# Altium PCB PCB1.PcbDoc (continued)
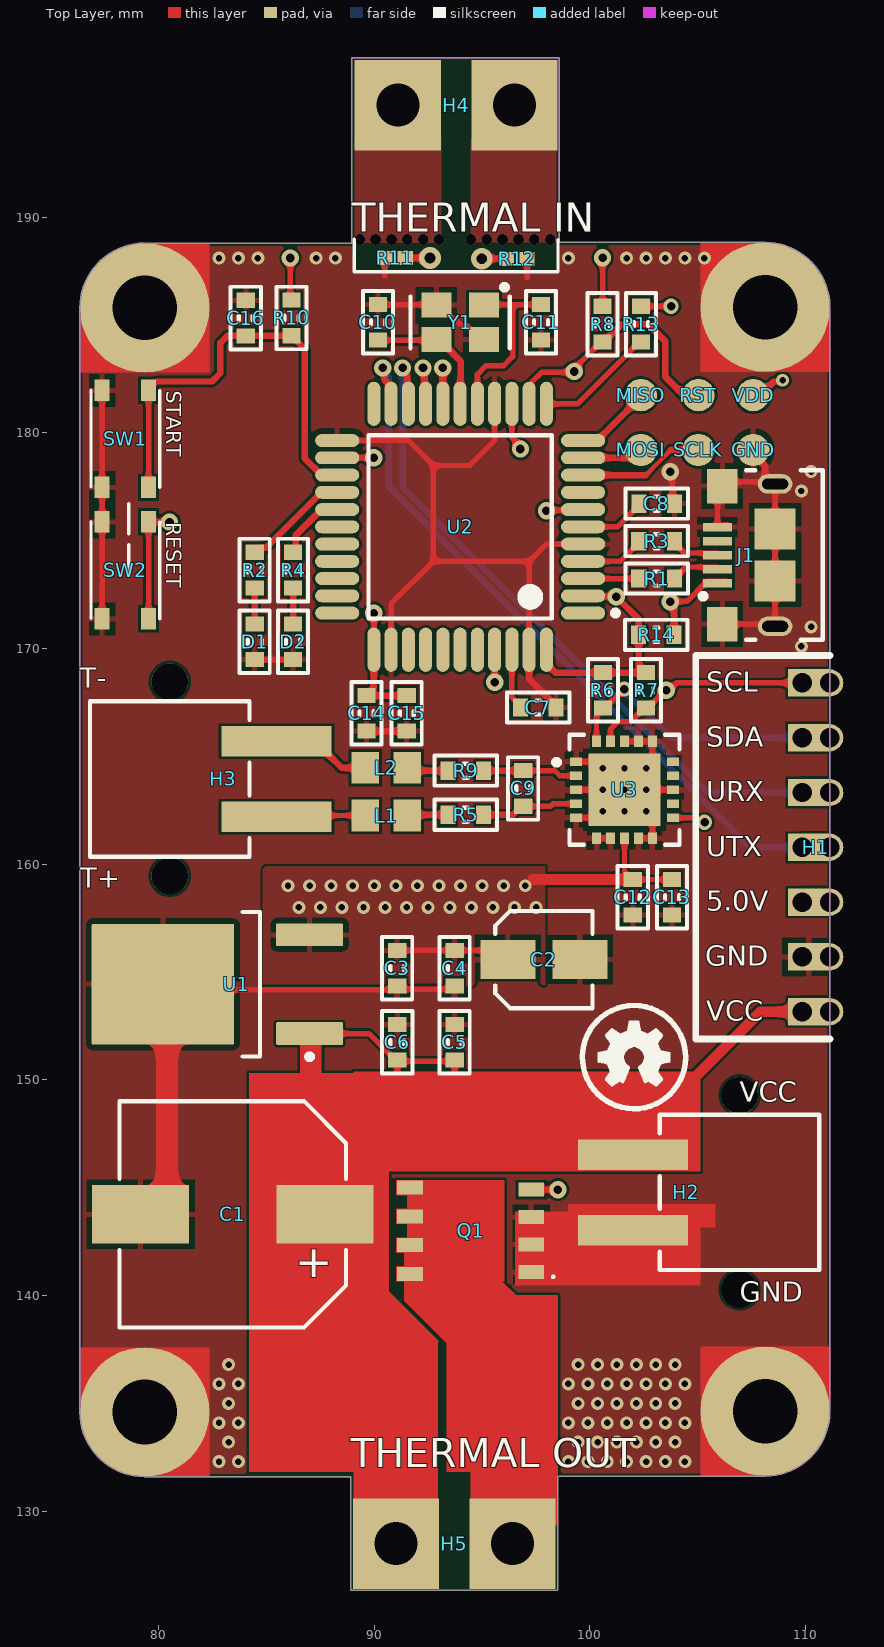
[diagram p0: Top Layer view]
## Nets (pads, with @x,y where several pads share a name; then routed paths per layer and width w, separated by ;. In a path a pad name is that pad's centre, name@x,y a point inside that pad or via, vN(x,y) a via of type N, cw(c..) or ccw(c..) an arc to the next point about the centre after c; other vN are vias at no path point) (continued)
NetC8_2: C8.2 U2.6 | length 3.1
  Top Layer w0.25: U2.6 101.274,175.641 102.271,176.638 C8.2
NetC9_1: C9.1 R5.1 U3.4 | length 4.6
  Top Layer w0.25: C9.1 98.171,162.683 98.287,162.799 U3.4 U3.4@99.279,162.728
  Top Layer w0.3: R5.1 96.432,162.289 96.826,162.683 C9.1
NetC9_2: C9.2 R9.1 U3.2 | length 4.5
  Top Layer w0.25: C9.2@97.081,164.333 98.366,164.333 98.6,164.099 U3.2 U3.2@99.279,164.17
  Top Layer w0.3: R9.1 C9.2 C9.2@97.081,164.333
NetC10_1: C10.1 U2.17 Y1.3 | length 6.7
  Top Layer w0.25: C10.1 Y1.3@92.905,184.293
  Top Layer w0.3: Y1.3 93.205,183.993 93.33,183.993 93.999,183.324 U2.17@93.999,181.36
  Top Layer w0.5: Y1.3 92.905,184.293 Y1.3@93.205,183.993 ; U2.17 U2.17@93.999,181.36
NetC11_1: C11.1 U2.16 Y1.1 | length 8.4
  Top Layer w0.25: U2.16 94.78,182.705 95.189,183.114 96.002,183.114 96.415,183.527 96.415,185.943 ; Y1.1 95.105,185.943 96.415,185.943 ; C11.1 96.415,185.943
NetC16_1: C16.1 R10.2 SW1.2 U2.25 | length 16.4
  Top Layer w0.3: SW1.2@79.533,181.969 79.533,182.119 79.733,182.319 79.85,182.319 79.909,182.377 82.476,182.377 82.857,182.758 82.857,184.165 83.19,184.498 R10.2 86.236,184.498 86.436,184.298 86.436,184.223 86.78,183.878 86.78,178.81 87.549,178.041 U2.25
NetD1_1: D1.1 R2.2 | length 1.7
  Top Layer w0.3: D1.1 R2.2
NetD2_1: D2.1 R4.2 | length 1.7
  Top Layer w0.3: D2.1 R4.2
NetH1_4: H1.4 U2.21 | length 33.5
  Top Layer w0.3: v2(90.393,183.007) 90.475,182.925 90.475,182.452 90.78,182.147 U2.21
  Bottom Layer w0.3: v2(90.393,183.007) 90.393,182.872 90.678,182.587 90.678,177.513 107.409,160.782 H1.4@109.842,160.782
NetH1_5: H1.5 U2.20 | length 31.7
  Top Layer w0.3: v2(91.313,183.007) 91.313,182.872 91.523,182.662 91.523,181.398 U2.20
  Bottom Layer w0.3: v2(91.313,183.007) 91.313,177.472 105.463,163.322 H1.5@109.842,163.322
NetH1_6: H1.6 R6.1 U2.19 U3.20 | length 33.5
  Top Layer w0.25: U3.20 100.3,167.01 100.525,167.235 100.675,167.235 101.557,168.117 v4(101.589,168.117)
  Top Layer w0.3: v2(92.258,183.006) 92.323,182.942 92.323,181.398 U2.19
  Layer 1 w0.25: v2(92.258,183.006) 92.258,176.261 100.452,168.067 101.539,168.067 v4(101.589,168.117)
  Bottom Layer w0.3: v4(101.589,168.117) 101.589,168.017 103.744,165.862 H1.6@109.842,165.862
NetH1_7: H1.7 R7.1 U2.18 U3.19 | length 32.8
  Top Layer w0.25: U3.19 100.95,166.26 101.3,166.61 101.9,166.61 102.525,167.235 R7.1 ; R7.1@102.675,167.235 v2@103.507,168.067 ; v2(103.539,168.067) 103.688,168.067 104.023,168.402 109.842,168.402 H1.7@111.112,168.402
  Top Layer w0.3: U2.18 v2(93.18,183.007)
  Layer 1 w0.25: v2(93.18,183.007) 93.18,179.343 101.636,170.887 101.636,169.349 102.918,168.067 v2(103.539,168.067)
NetH3_1: H3.1 L2.1 | length 5
  Top Layer w0.25: H3.1@85.595,165.707 85.897,165.707 H3.1@85.849,165.755
  Top Layer w0.3: H3.1 87.318,165.699 87.868,165.149 87.868,165.083 88.486,164.465 L2.1
NetH3_2: H3.2 L1.1 | length 1.9
  Top Layer w0.25: H3.2@87.747,162.207 87.795,162.255 L1.1
NetH4_1: H4.1 H4.2 R11.2 R12.2 | length 2259.6
  Top Layer w0.25: R11.2 v5(92.583,188.105) ; v5(94.98,188.065) R12.2
  Layer 2 w0.5: v5(92.583,188.105) 92.583,187.198 82.95,187.198 ccw(c82.95,187.105) 82.857,187.105 82.857,186.708 82.857,184.248 ccw(c83.167,184.248) 83.477,184.248 83.477,186.148 cw(c83.787,186.148) 84.097,186.148 84.097,184.248 ccw(c84.407,184.248) 84.717,184.248 84.717,186.148 cw(c85.027,186.148) 85.337,186.148 85.337,184.248 ccw(c85.647,184.248) 85.957,184.248 85.957,186.148 cw(c86.267,186.148) 86.577,186.148 86.577,184.248 ccw(c86.887,184.248) 87.197,184.248 87.197,186.148 cw(c87.507,186.148) 87.507,186.458 cw(c87.507,186.148) 87.817,186.148 87.817,184.248 ccw(c88.127,184.248) 88.127,183.938 ccw(c88.127,184.248) 88.437,184.248 88.437,186.148 cw(c88.747,186.148) 89.057,186.148 89.057,184.868 ccw(c89.367,184.868) 89.677,184.868 89.677,186.148 cw(c89.987,186.148) 90.297,186.148 90.297,184.868 ccw(c90.607,184.868) 90.917,184.868 90.917,186.148 cw(c91.227,186.148) 91.537,186.148 91.537,184.868 ccw(c91.847,184.868) 92.157,184.868 92.157,186.148 cw(c92.467,186.148) 92.777,186.148 92.777,184.868 ccw(c93.087,184.868) 93.397,184.868 93.397,186.148 cw(c93.707,186.148) 94.017,186.148 94.017,184.868 ccw(c94.327,184.868) 94.637,184.868 94.637,186.148 cw(c94.947,186.148) 95.257,186.148 95.257,184.868 ccw(c95.567,184.868) 95.877,184.868 95.877,186.148 cw(c96.187,186.148) 96.497,186.148 96.497,184.868 ccw(c96.807,184.868) 97.117,184.868 97.117,186.148 cw(c97.427,186.148) 97.737,186.148 97.737,184.868 ccw(c98.047,184.868) 98.357,184.868 98.357,186.148 cw(c98.667,186.148) 98.977,186.148 98.977,184.868 ccw(c99.287,184.868) 99.597,184.868 99.597,186.148 cw(c99.907,186.148) 100.217,186.148 100.217,184.868 ccw(c100.527,184.868) 100.837,184.868 100.837,186.148 cw(c101.147,186.148) 101.457,186.148 101.457,184.868 ccw(c101.767,184.868) 102.077,184.868 102.077,186.148 cw(c102.387,186.148) 102.387,186.458 cw(c102.387,186.148) 102.697,186.148 102.697,184.248 cw(c102.387,184.248) 102.387,183.938 ccw(c102.387,183.628) 102.077,183.628 102.077,183.318 cw(c101.767,183.318) 101.457,183.318 101.457,183.628 ccw(c101.147,183.628) 100.837,183.628 100.837,183.438 cw(c100.527,183.438) 100.217,183.438 100.217,183.628 ccw(c99.907,183.628) 99.907,183.938 98.667,183.938 ccw(c98.667,183.628) 98.357,183.628 98.357,183.408 cw(c98.047,183.408) 97.737,183.408 97.737,183.628 ccw(c97.427,183.628) 97.117,183.628 97.117,183.397 cw(c96.807,183.397) 96.497,183.397 96.497,183.628 ccw(c96.187,183.628) 95.877,183.628 95.877,183.393 cw(c95.567,183.393) 95.257,183.393 95.257,183.628 ccw(c94.947,183.628) 94.637,183.628 94.637,183.393 cw(c94.327,183.393) 94.017,183.393 94.017,183.628 ccw(c93.707,183.628) 93.707,183.938 89.367,183.938 ccw(c89.367,183.628) 89.057,183.628 cw(c88.747,183.628) 88.747,183.318 83.166,183.318 ccw(c83.167,183.008) 82.857,183.01 82.857,182.758 82.857,182.508 cw(c82.547,182.508) 82.547,182.198 77.588,182.198 ccw(c77.588,181.888) 77.278,181.888 77.278,138.412 ccw(c77.588,138.412) 77.588,138.102 ccw(c77.588,138.412) 77.898,138.412 77.898,181.268 cw(c78.208,181.268) 78.208,181.578 cw(c78.208,181.268) 78.518,181.268 78.518,138.412 ccw(c78.828,138.412) 78.828,138.102 ccw(c78.828,138.412) 79.138,138.412 79.138,181.268 cw(c79.448,181.268) 79.758,181.268 79.758,176.929 ccw(c80.068,176.929) 80.378,176.929 80.378,181.268 cw(c80.688,181.268) 80.998,181.268 80.998,176.765 ccw(c81.308,176.765) 81.618,176.765 81.618,181.268 cw(c81.928,181.268) 82.238,181.268 82.238,175.302 cw(c81.928,175.302) 81.928,174.992 80.068,174.992 ccw(c80.068,174.682) 79.758,174.682 79.758,169.971 ccw(c80.068,169.971) 80.378,169.971 80.378,174.062 cw(c80.688,174.062) 80.998,174.062 80.998,169.881 ccw(c81.308,169.881) 81.618,169.881 81.618,174.062 cw(c81.928,174.062) 82.238,174.062 82.238,167.242 cw(c81.928,167.242) 81.928,166.932 80.068,166.932 ccw(c80.068,166.622) 79.758,166.622 79.758,160.971 ccw(c80.068,160.971) 80.378,160.971 80.378,166.002 cw(c80.688,166.002) 80.998,166.002 80.998,160.881 ccw(c81.308,160.881) 81.618,160.881 81.618,166.002 cw(c81.928,166.002) 82.238,166.002 82.238,158.562 cw(c81.928,158.562) 81.928,158.252 81.308,158.252 ccw(c81.308,157.942) 80.998,157.942 cw(c80.688,157.942) 80.688,157.632 80.068,157.632 ccw(c80.068,157.322) 79.758,157.322 79.758,138.412 ccw(c80.068,138.412) 80.378,138.412 80.378,156.702 cw(c80.688,156.702) 80.998,156.702 80.998,138.412 ccw(c81.308,138.412) 81.618,138.412 81.618,157.322 cw(c81.928,157.322) 82.238,157.322 82.238,138.722 ccw(c82.548,138.722) 82.548,138.412 cw(c82.548,138.102) 82.858,138.103 82.858,137.852 83.107,137.603 104.228,137.603 104.521,137.896 104.521,138.402 104.521,138.654 cw(c104.831,138.652) 104.83,138.962 105.451,138.962 ccw(c105.451,139.272) 105.451,139.582 104.831,139.582 cw(c104.831,139.892) 104.521,139.892 104.521,140.512 cw(c104.831,140.512) 104.831,140.822 105.451,140.822 ccw(c105.451,141.132) 105.761,141.132 105.761,146.712 cw(c106.071,146.712) 106.381,146.712 106.381,141.81 ccw(c106.691,141.81) 107.001,141.81 107.001,146.712 cw(c107.311,146.712) 107.621,146.712 107.621,141.598 ccw(c107.931,141.598) 108.241,141.598 108.241,147.962 ccw(c107.931,147.962) 107.931,148.272 107.621,148.272 107.621,147.952 cw(c107.311,147.952) 107.311,147.642 106.071,147.642 cw(c106.071,147.952) 105.761,147.952 105.761,148.635 ccw(c105.451,148.635) 105.141,148.635 105.141,141.752 cw(c104.831,141.752) 104.521,141.752 104.521,149.812 cw(c104.831,149.812) 104.831,150.122 105.451,150.122 ccw(c105.451,150.432) 105.761,150.432 105.761,160.862 ccw(c105.451,160.862) 105.141,160.862 105.141,151.052 cw(c104.831,151.052) 104.521,151.052 104.521,162.832 cw(c104.831,162.832) 104.831,163.142 105.451,163.142 ccw(c105.451,163.452) 105.761,163.452 105.761,180.82 cw(c106.071,180.82) 106.381,180.82 106.381,150.81 ccw(c106.691,150.81) 107.001,150.81 107.001,169.032 cw(c107.311,169.032) 107.621,169.032 107.621,150.598 ccw(c107.931,150.598) 108.241,150.598 108.241,151.052 cw(c108.551,151.052) 108.861,151.052 108.861,138.962 ccw(c109.171,138.962) 109.481,138.962 109.481,151.052 cw(c109.791,151.052) 110.101,151.052 110.101,138.962 ccw(c110.411,138.962) 110.721,138.962 110.721,151.672 ccw(c110.411,151.672) 110.411,151.982 108.551,151.982 cw(c108.551,152.292) 108.241,152.292 108.241,169.652 ccw(c107.931,169.652) 107.931,169.962 107.311,169.962 cw(c107.311,170.272) 107.001,170.272 107.001,175.852 cw(c107.311,175.852) 107.621,175.852 107.621,172.258 ccw(c107.931,172.258) 108.241,172.258 108.241,175.232 cw(c108.551,175.232) 108.861,175.232 108.861,172.258 ccw(c109.171,172.258) 109.481,172.258 109.481,175.232 cw(c109.791,175.232) 110.101,175.232 110.101,171.98 ccw(c110.411,171.98) 110.721,171.98 110.721,175.852 ccw(c110.411,175.852) 110.411,176.162 108.551,176.162 cw(c108.551,176.472) 108.241,176.472 ccw(c107.931,176.472) 107.931,176.782 107.311,176.782 cw(c107.311,177.092) 107.001,177.092 107.001,180.82 cw(c107.311,180.82) 107.621,180.82 107.621,178.858 ccw(c107.931,178.858) 108.241,178.858 108.241,180.82 cw(c108.551,180.82) 108.861,180.82 108.861,178.858 ccw(c109.171,178.858) 109.481,178.858 109.481,180.82 cw(c109.791,180.82) 110.101,180.82 110.101,179.18 ccw(c110.411,179.18) 110.721,179.18 110.721,181.44 ccw(c110.411,181.44) 110.411,181.75 105.451,181.75 ccw(c105.451,181.44) 105.141,181.44 105.141,164.072 cw(c104.831,164.072) 104.521,164.072 104.521,165.932 ccw(c104.211,165.932) 103.901,165.932 103.901,138.962 cw(c103.591,138.962) 103.281,138.962 103.281,160.352 ccw(c102.971,160.352) 102.661,160.352 102.661,138.962 cw(c102.351,138.962) 102.041,138.962 102.041,160.352 ccw(c101.731,160.352) 101.421,160.352 101.421,138.962 cw(c101.111,138.962) 100.801,138.962 100.801,160.352 ccw(c100.491,160.352) 100.181,160.352 100.181,138.962 cw(c99.871,138.962) 99.561,138.962 99.561,142.992 ccw(c99.251,142.992) 98.941,142.992 98.941,138.962 cw(c98.631,138.962) 98.321,138.962 98.321,143.612 cw(c98.631,143.612) 98.631,143.922 99.251,143.922 ccw(c99.251,144.232) 99.561,144.232 99.561,161.616 cw(c99.871,161.616) 100.181,161.616 100.181,161.592 ccw(c100.491,161.592) 100.491,161.282 102.971,161.282 ccw(c102.971,161.592) 103.281,161.592 103.281,165.932 ccw(c102.971,165.932) 102.661,165.932 102.661,165.429 cw(c102.351,165.429) 102.041,165.429 102.041,165.932 ccw(c101.731,165.932) 101.421,165.932 101.421,165.405 cw(c101.111,165.405) 100.801,165.405 100.801,165.932 ccw(c100.491,165.932) 100.181,165.932 100.181,165.282 cw(c99.871,165.282) 99.561,165.282 99.561,165.932 ccw(c99.251,165.932) 98.941,165.932 98.941,145.987 cw(c98.631,145.987) 98.321,145.987 98.321,156.012 ccw(c98.011,156.012) 97.701,156.012 97.701,138.962 cw(c97.391,138.962) 97.081,138.962 97.081,156.012 ccw(c96.771,156.012) 96.461,156.012 96.461,138.962 cw(c96.151,138.962) 95.841,138.962 95.841,156.012 ccw(c95.531,156.012) 95.221,156.012 95.221,138.962 cw(c94.911,138.962) 94.601,138.962 94.601,156.012 ccw(c94.291,156.012) 93.981,156.012 93.981,138.962 cw(c93.671,138.962) 93.361,138.962 93.361,156.012 ccw(c93.051,156.012) 92.741,156.012 92.741,138.962 cw(c92.431,138.962) 92.121,138.962 92.121,156.012 ccw(c91.811,156.012) 91.501,156.012 91.501,138.962 cw(c91.191,138.962) 90.881,138.962 90.881,156.012 ccw(c90.571,156.012) 90.261,156.012 90.261,138.962 cw(c89.951,138.962) 89.641,138.962 89.641,156.012 ccw(c89.331,156.012) 89.021,156.012 89.021,138.962 cw(c88.711,138.962) 88.401,138.962 88.401,156.012 ccw(c88.091,156.012) 87.781,156.012 87.781,138.962 cw(c87.471,138.962) 87.161,138.962 87.161,156.012 ccw(c86.851,156.012) 86.541,156.012 86.541,138.962 cw(c86.231,138.962) 85.921,138.962 85.921,156.632 cw(c86.231,156.632) 86.231,156.942 98.011,156.942 ccw(c98.011,157.252) 98.321,157.252 98.321,165.932 ccw(c98.011,165.932) 97.701,165.932 97.701,159.975 cw(c97.391,159.975) 97.081,159.975 97.081,160.352 ccw(c96.771,160.352) 96.461,160.352 cw(c96.151,160.352) 96.151,160.042 94.911,160.042 cw(c94.911,160.352) 94.911,160.662 95.531,160.662 ccw(c95.531,160.972) 95.841,160.972 cw(c96.151,160.972) 96.151,161.282 96.771,161.282 ccw(c96.771,161.592) 97.081,161.592 97.081,165.932 ccw(c96.771,165.932) 96.461,165.932 96.461,162.738 cw(c96.151,162.738) 95.841,162.738 95.841,165.932 ccw(c95.531,165.932) 95.221,165.932 95.221,163.074 cw(c94.911,163.074) 94.601,163.074 94.601,166.552 cw(c94.911,166.552) 94.911,166.862 ccw(c94.911,167.172) 95.221,167.172 95.221,167.35 cw(c95.531,167.35) 95.841,167.35 95.841,167.172 ccw(c96.151,167.172) 96.151,166.862 99.871,166.862 ccw(c99.871,167.172) 100.181,167.172 100.181,167.792 ccw(c99.871,167.792) 99.561,167.792 cw(c99.251,167.792) 98.941,167.792 ccw(c98.631,167.792) 98.321,167.792 cw(c98.011,167.792) 97.701,167.792 ccw(c97.391,167.792) 97.081,167.792 cw(c96.771,167.792) 96.461,167.792 96.461,168.412 cw(c96.771,168.412) 96.771,168.722 98.011,168.722 ccw(c98.011,169.032) 98.321,169.032 98.321,169.65 cw(c98.631,169.65) 98.941,169.65 98.941,169.032 ccw(c99.251,169.032) 99.561,169.032 99.561,169.42 cw(c99.871,169.42) 100.181,169.42 100.181,169.032 ccw(c100.491,169.032) 100.491,168.722 cw(c100.491,168.412) 100.801,168.412 100.801,167.172 ccw(c101.111,167.172) 101.111,166.862 101.731,166.862 ccw(c101.731,167.172) 102.041,167.172 102.041,167.184 cw(c102.351,167.184) 102.661,167.184 102.661,167.172 ccw(c102.971,167.172) 102.971,166.862 104.211,166.862 ccw(c104.211,167.172) 104.521,167.172 104.521,170.272 ccw(c104.211,170.272) 103.901,170.272 103.901,169.147 cw(c103.591,169.147) 103.281,169.147 103.281,170.892 cw(c103.591,170.892) 103.591,171.202 104.211,171.202 ccw(c104.211,171.512) 104.521,171.512 104.521,176.472 ccw(c104.211,176.472) 103.901,176.472 103.901,173.242 cw(c103.591,173.242) 103.281,173.242 103.281,177.092 cw(c103.591,177.092) 103.591,177.402 104.211,177.402 ccw(c104.211,177.712) 104.521,177.712 104.521,180.82 ccw(c104.211,180.82) 103.901,180.82 103.901,179.276 cw(c103.591,179.276) 103.281,179.276 103.281,180.82 ccw(c102.971,180.82) 102.661,180.82 102.661,169.051 cw(c102.351,169.051) 102.041,169.051 102.041,170.272 ccw(c101.731,170.272) 101.421,170.272 101.421,169.652 cw(c101.111,169.652) 100.801,169.652 100.801,170.892 cw(c101.111,170.892) 101.111,171.202 101.731,171.202 ccw(c101.731,171.512) 102.041,171.512 102.041,180.82 ccw(c101.731,180.82) 101.421,180.82 101.421,173.482 cw(c101.111,173.482) 100.801,173.482 100.801,180.82 ccw(c100.491,180.82) 100.181,180.82 100.181,171.574 cw(c99.871,171.574) 99.561,171.574 99.561,174.612 ccw(c99.251,174.612) 98.941,174.612 98.941,171.343 cw(c98.631,171.343) 98.321,171.343 98.321,174.612 ccw(c98.011,174.612) 97.701,174.612 97.701,169.652 cw(c97.391,169.652) 97.081,169.652 97.081,175.232 cw(c97.391,175.232) 97.391,175.542 99.251,175.542 ccw(c99.251,175.852) 99.561,175.852 99.561,180.82 ccw(c99.251,180.82) 98.941,180.82 98.941,177.712 cw(c98.631,177.712) 98.631,177.402 96.771,177.402 ccw(c96.771,177.092) 96.461,177.092 96.461,169.652 cw(c96.151,169.652) 95.841,169.652 95.841,177.712 cw(c96.151,177.712) 96.151,178.022 98.011,178.022 ccw(c98.011,178.332) 98.321,178.332 98.321,180.82 ccw(c98.011,180.82) 97.701,180.82 97.701,180.263 cw(c97.391,180.263) 97.081,180.263 97.081,180.82 ccw(c96.771,180.82) 96.461,180.82 96.461,180.261 cw(c96.151,180.261) 95.841,180.261 95.841,180.82 ccw(c95.531,180.82) 95.221,180.82 95.221,169.422 cw(c94.911,169.422) 94.601,169.422 94.601,180.82 ccw(c94.291,180.82) 93.981,180.82 93.981,159.98 cw(c93.671,159.98) 93.361,159.98 93.361,180.82 ccw(c93.051,180.82) 92.741,180.82 92.741,159.969 cw(c92.431,159.969) 92.121,159.969 92.121,180.82 ccw(c91.811,180.82) 91.501,180.82 91.501,159.98 cw(c91.191,159.98) 90.881,159.98 90.881,169.652 ccw(c90.571,169.652) 90.261,169.652 90.261,159.98 cw(c89.951,159.98) 89.641,159.98 89.641,170.272 cw(c89.951,170.272) 89.951,170.582 90.571,170.582 ccw(c90.571,170.892) 90.881,170.892 90.881,177.092 ccw(c90.571,177.092) 90.261,177.092 90.261,172.721 cw(c89.951,172.721) 89.641,172.721 89.641,177.712 cw(c89.951,177.712) 89.951,178.022 90.571,178.022 ccw(c90.571,178.332) 90.881,178.332 90.881,180.82 ccw(c90.571,180.82) 90.261,180.82 90.261,179.921 cw(c89.951,179.921) 89.641,179.921 89.641,180.82 ccw(c89.331,180.82) 89.021,180.82 89.021,159.98 cw(c88.711,159.98) 88.401,159.98 88.401,180.82 ccw(c88.091,180.82) 87.781,180.82 87.781,159.96 cw(c87.471,159.96) 87.161,159.96 87.161,180.82 ccw(c86.851,180.82) 86.541,180.82 86.541,159.98 cw(c86.231,159.98) 85.921,159.98 85.921,180.82 ccw(c85.611,180.82) 85.301,180.82 85.301,138.962 cw(c84.991,138.962) 84.991,138.652 cw(c84.991,138.962) 84.681,138.962 84.681,180.82 ccw(c84.371,180.82) 84.371,181.13 ccw(c84.371,180.82) 84.061,180.82 84.061,138.962 cw(c83.751,138.962) 83.751,138.652 cw(c83.751,138.962) 83.441,138.962 83.441,181.44 cw(c83.751,181.44) 83.751,181.75 104.212,181.75 ccw(c104.211,182.06) 104.521,182.06 104.521,182.31 104.755,182.544 104.755,186.866 104.462,187.158 94.98,187.158 v5(94.98,188.065)
  Layer 2 w1: v5(92.583,188.105) H4.1@92.583,195.181 ; v5(94.98,188.065) H4.2@94.98,195.142
  other v3: 89.321,188.957 90.057,188.957 90.793,188.957 91.53,188.957 92.266,188.957 93.002,188.957 94.474,188.957 95.21,188.957 95.947,188.957 96.683,188.957 97.419,188.957 98.155,188.957
NetH5_1: H5.1 Q1.5 Q1.6 Q1.7 Q1.8
NetJ1_2: J1.2 R1.2 | length 2.3
  Top Layer w0.25: R1.2 103.913,173.316 104.138,173.541 104.213,173.541 104.45,173.778 J1.2@105.91,173.778
NetJ1_3: J1.3 R3.2 | length 2.3
  Top Layer w0.25: R3.2 103.913,174.901 104.387,174.428 J1.3@105.91,174.428
NetL1_2: L1.2 R5.2 | length 1.9
  Top Layer w0.3: L1.2 91.557,162.289 R5.2
NetL2_2: L2.2 R9.2 | length 1.9
  Top Layer w0.3: L2.2 91.655,164.333 R9.2
NetMISO_1: MISO.1 U2.11 | length 3.6
  Top Layer w0.3: U2.11 100.332,179.641 102.301,181.61 102.362,181.61 MISO.1
NetMOSI_1: MOSI.1 U2.10 | length 2.8
  Top Layer w0.3: U2.10 101.81,178.841 102.173,179.204 MOSI.1
NetQ1_4: Q1.4 R13.2 | length 50.4
  Top Layer w0.25: Q1.4@97.526,144.907 v2(98.514,144.907) ; R13.2@102.392,185.866 103.759,185.866 v4(103.761,185.867)
  Layer 1 w0.25: v2(98.514,144.907) 98.562,144.859 100.064,144.859 107.061,151.856 107.061,171.201 102.362,175.9 102.362,184.413 103.761,185.811 v4(103.761,185.867)
NetR1_1: R1.1 U2.3 | length 2.6
  Top Layer w0.25: U2.3 R1.1
NetR2_1: R2.1 U2.26 | length 5
  Top Layer w0.3: R2.1 84.655,174.661 84.969,174.661 87.549,177.241 U2.26
NetR3_1: R3.1 U2.4 | length 3
  Top Layer w0.25: U2.4 101.403,174.041 102.263,174.901 R3.1
NetR4_1: R4.1 U2.27 | length 3.3
  Top Layer w0.3: R4.1 86.369,174.597 86.369,175.261 87.549,176.441 U2.27
NetR8_1: R8.1 RST.1 SW2.2 U2.13 | length 36.7
  Top Layer w0.25: SW2.2@79.545,175.86 v2(80.508,175.86) ; U2.13 97.18,182.161 97.301,182.282 97.301,182.347 97.754,182.8 99.095,182.8 100.509,184.214 R8.1
  Top Layer w0.3: R8.1 100.659,184.214 101.484,185.039 102.694,185.039 103.5,184.233 103.5,182.589 104.315,181.773 104.999,181.773 RST.1
  Layer 1 w0.25: v2(80.508,175.86) 84.418,179.77 84.418,180.076 88.725,184.383 98.335,184.383 99.266,183.452 v2(99.266,182.841)
NetR13_1: R13.1 U2.12 | length 5.6
  Top Layer w0.25: U2.12 99.414,181.341 102.287,184.214 R13.1
NetSCLK_1: SCLK.1 U2.9 | length 5.8
  Top Layer w0.2: 102.588,178.041 103.75,179.204
  Top Layer w0.3: U2.9 102.588,178.041 ; 103.75,179.204 SCLK.1
NetU2_41: U2.41 U3.11 | length 15.7
  Top Layer w0.25: v2(95.58,168.43) U2.41@95.58,169.418 ; U3.11@103.825,162.149 104.962,162.149 105.169,161.942 v4(105.318,161.942)
  Layer 1 w0.3: v2(95.58,168.43) 97.64,166.37 102.016,166.37 105.318,163.068 v4(105.318,161.942)
VCC: C1.1 C5.2 C6.2 H1.1 H2.2 H5.2 U1.1 | length 31.7
  Top Layer w0.25: U1.1 89.763,152.146 90.991,150.918 C6.2 ; C5.2@93.676,150.868 91.116,150.868 C6.2 ; C5.2 93.726,149.951 96.178,148.961 ; 97.074,148.064 96.171,148.968 91.066,150.014 C6.2
  Top Layer w0.3: 104.521,149.812 104.553,149.812
  Top Layer w0.5: 104.553,149.812 107.903,153.162 H1.1@110.122,153.162
  Top Layer w1: 87.064,146.175 87.064,151.507 ; H2.2@102.362,146.581 102.489,146.708 102.489,147.748
VDD: C2.1 C3.2 C4.2 C12.1 C13.1 C14.1 C15.1 H1.3 R6.2 R7.2 R8.2 R10.1 R14.1 U1.3 U2.2 U2.14 U2.24 U2.34 U2.44 U3.8 VDD.1 | length 41.2
  Top Layer w0.25: R10.1@86.106,185.918 v2(86.106,188.105) ; U2.24 v2(89.98,178.841) ; U2.34 v2(89.98,171.641) ; C3.2 C4.2 95.813,156 C2.1@96.138,155.675 ; C2.1@96.081,155.518 96.138,155.575 C2.1@96.138,155.675 ; C2.1@96.138,155.95 C2.1@96.138,155.675 ; U2.14 96.38,179.79 96.774,179.396 v2(96.774,179.247) ; 97.257,159.385 97.356,159.286 ; U2.2 99.7,172.421 101.203,172.421 v2(101.223,172.402) ; R8.2 v2(100.584,188.111) ; U3.8 101.6,159.671 101.684,159.586 101.684,159.511 101.909,159.286 C12.1 ; C12.1 C13.1
  Top Layer w0.3: C14.1 C14.1@89.716,167.816 ; U2.34 89.98,168.155 89.916,168.091 89.916,168.016 C14.1@89.716,167.816 ; C15.1 C14.1@89.716,167.816 ; U2.44 98.001,169.941 98.001,169.276 98.392,168.885 R6.2 R7.2@102.525,168.885 ; v2(101.223,172.402) 102.255,171.37 R14.1 102.255,169.155 R7.2@102.525,168.885 ; R7.2 R7.2@102.525,168.885 ; VDD.1 107.894,181.744 108.528,182.378 108.874,182.378 v1(108.931,182.435)
  Top Layer w0.5: 97.356,159.286 C12.1@101.909,159.286
  other v1: 86.5,158 87.5,158 88.5,158 89.5,158 90.5,158 91.5,158 92.5,158 93.5,158 94.5,158 95.5,158 96.5,158 97.5,158 86,159 87,159 88,159 89,159 90,159 91,159 92,159 93,159 94,159 95,159 96,159 97,159
VUSB: J1.1 R14.2 U2.7 | length 14.8
  Top Layer w0.25: v2(97.98,176.388) 98.006,176.414 99.653,176.414 U2.7 ; v2(103.717,172.162) 103.74,172.185 104.492,172.185 105.435,173.128 J1.1@106.299,173.128
  Top Layer w0.3: v2(103.717,172.162) 103.717,172.027 103.905,171.839 R14.2
  Layer 1 w0.25: v2(97.98,176.388) 98.033,176.441 100.66,176.441 103.974,173.127 103.974,172.877 103.822,172.724 103.822,172.267 v2(103.717,172.162)
pads on no net: H2.M1 H2.M2 H3.M1 H3.M2 J1.4 U2.1 U2.8 U2.22 U2.28 U2.29 U2.30 U2.31 U2.32 U2.33 U2.36 U2.37 U2.38 U2.39 U2.40 U3.12 U3.14 U3.15

## Polygon pours and split planes (outlines as drawn)
GND on Top Layer "NONET_L-01_P-001" (solid, pour order 2): 79.245,188.79 108.017,188.823 111.017,185.823 111.017,134.633 108.017,131.633 79.245,131.6 76.245,134.6 76.245,185.791
VDD on Top Layer "NONET_L-01_P-001" (solid, pour order 3): 84.963,159.893 84.836,159.766 84.836,154.35 97.872,154.35 97.917,154.305 97.917,159.893
NetH4_1 on Top Layer "NONET_L-01_P-001" (solid, pour order 6): 94.474,188.957 94.474,193.802 94.601,193.675 98.578,193.675 98.578,188.823 97.546,187.79 94.533,187.79 94.463,187.719
NetH4_1 on Top Layer "NONET_L-01_P-001" (solid, pour order 5): 88.965,193.802 93.108,193.802 93.108,187.83 90.96,187.83 90.123,188.666 88.965,188.666
VDD on Layer 1 "NONET_L-01_P-001" (solid, pour order 0): 79.353,188.79 108.125,188.823 111.125,185.823 111.125,134.633 108.125,131.633 79.354,131.6 76.353,134.6 76.353,185.791
GND on Layer 2 "NONET_L-01_P-001" (solid, remove dead copper, pour order 1): 79.245,188.79 108.017,188.823 111.017,185.823 111.017,134.633 108.017,131.633 79.245,131.6 76.245,134.6 76.245,185.791
GND on Bottom Layer "NONET_L-01_P-001" (solid, pour order 4): 79.245,188.79 108.017,188.823 111.017,185.823 111.017,134.633 108.017,131.633 79.245,131.6 76.245,134.6 76.245,185.791

## Keep-outs
Keep-Out Layer:
  lines w0.01: 76.353,185.79 cw(c79.353,185.79) 79.353,188.79 88.965,188.79 88.965,197.378 98.578,197.378 98.578,188.823 108.125,188.823 108.125,188.823 cw(c108.125,185.823) 111.125,185.823 111.125,134.633 ; 76.353,185.79 76.353,185.791 ; 76.353,185.791 76.354,134.6 ccw(c79.354,134.6) 79.354,131.6 79.353,131.601 88.9,131.601 88.9,126.345 98.514,126.345 98.514,131.601 98.578,131.633 108.125,131.633 ccw(c108.125,134.633) 111.125,134.633 ; 111.125,134.633 111.125,134.633

## Other copper
Top Layer:
  rectangle net GND: 98.984,143.157 105.83,144.253
  rectangle net VCC: 89.027,145.748 105.122,150.381
  rectangle net GND: 96.52,140.462 105.122,143.891
  rectangle net NetH5_1: 93.345,131.826 96.52,138.938
  rectangle net NetH5_1: 91.376,139.764 92.964,141.987
  region net VCC: 87.884,143.002 85.598,140.716 90.71,135.603 92.996,137.89
  region net NetH5_1: 94.106,142.494 91.376,139.764 95.695,135.446 98.425,138.176
  rectangle net VCC: 89.027,129.921 92.964,137.922
  rectangle net VCC: 84.201,131.826 89.281,150.32
  rectangle net NetH5_1: 94.451,129.345 98.514,140.017
  rectangle net VCC: 89.027,129.921 90.678,148.034
  pour cut-out: 88.9,188.79 88.965,188.399 89.066,187.466 98.516,187.466 98.578,188.823 88.965,188.79
Layer 1:
  pour cut-out: 88.9,188.79 88.965,188.399 89.066,187.466 98.516,187.466 98.578,188.823 88.965,188.79
Layer 2:
  rectangle net NetH4_1: 94.486,188.714 98.495,195.699
  rectangle net NetH4_1: 89.082,188.714 93.091,195.699
  pour cut-out: 88.9,188.79 88.965,188.399 89.066,187.466 98.516,187.466 98.578,188.823 88.965,188.79
Bottom Layer:
  pour cut-out: 88.9,188.79 88.965,188.399 89.066,187.466 98.516,187.466 98.578,188.823 88.965,188.79
Multi-Layer:
  rectangle net GND: 105.125,134.633 111.125,137.633
  region net GND: 108.125,131.633 108.125,137.633 105.125,137.633 105.125,131.633
  rectangle net GND: 76.354,134.6 82.354,137.6
  region net GND: 79.354,137.6 79.354,131.6 82.354,131.6 82.354,137.6
  region net GND: 79.353,188.79 79.353,182.79 82.353,182.79 82.353,188.79
  region net GND: 82.353,185.79 76.353,185.79 76.353,182.79 82.353,182.79
  region net GND: 108.125,182.823 108.125,188.823 105.125,188.823 105.125,182.823
  region net GND: 111.125,185.823 105.125,185.823 105.125,182.823 111.125,182.823

## Silkscreen, mask and mechanical layers (free items; w line width, h text height)
Top Overlay:
  drawing of 7 lines, arcs and shapes, not listed
  text "THERMAL IN" at 88.965,188.873 h2.3
  text "START" at 80.13,181.949 h1.2 r270
  text "RESET" at 80.13,175.853 h1.2 r270
  text "T-" at 76.355,167.844 h1.6
  text "T+" at 76.367,158.576 h1.6
  text "VCC" at 106.934,148.653 h1.6
  text "GND" at 106.934,139.385 h1.6
  text "THERMAL OUT" at 88.908,131.604 h2.3
Bottom Overlay:
  text "LOW-TEMP SOLDER PASTE ONLY" at 98.578,188.873 h1.6
  text "USB" at 111.119,177.042 h2.3 r90
  text "THERMO / COUPLE" at 76.359,159.142 h2.3 r270
  text "INPUT / VOLTAGE" at 111.093,149.442 h2.3 r90
  text "THERMAL OUT" at 98.544,131.604 h2.3
Top Solder:
  region: 108.125,182.823 108.125,188.823 105.125,188.823 105.125,182.823
  region: 111.125,185.823 105.125,185.823 105.125,182.823 111.125,182.823
  region: 79.353,188.79 79.353,182.79 82.353,182.79 82.353,188.79
  region: 82.353,185.79 76.353,185.79 76.353,182.79 82.353,182.79
  rectangle: 88.965,192.903 98.578,193.294
  rectangle: 105.125,134.633 111.125,137.633
  region: 108.125,131.633 108.125,137.633 105.125,137.633 105.125,131.633
  rectangle: 76.354,134.6 82.354,137.6
  region: 79.354,137.6 79.354,131.6 82.354,131.6 82.354,137.6
  region: 98.514,131.601 88.9,131.601 88.9,130.429 98.514,130.429
  text "OPEN" at 84.201,181.969 h2.5 r270
  text "REFLOW" at 82,181.827 h2.2 r270
  text "REV1.1" at 81.919,172.982 h1.2 r270
Bottom Solder:
  region: 111.125,185.823 105.125,185.823 105.125,182.823 111.125,182.823
  rectangle: 88.965,193.089 98.578,193.294
  region: 108.125,182.823 108.125,188.823 105.125,188.823 105.125,182.823
  region: 82.353,185.79 76.353,185.79 76.353,182.79 82.353,182.79
  region: 79.353,188.79 79.353,182.79 82.353,182.79 82.353,188.79
  rectangle: 105.125,134.633 111.125,137.633
  region: 108.125,131.633 108.125,137.633 105.125,137.633 105.125,131.633
  rectangle: 76.354,134.6 82.354,137.6
  region: 79.354,137.6 79.354,131.6 82.354,131.6 82.354,137.6
  region: 98.514,131.601 88.9,131.601 88.9,130.429 98.514,130.429
  text "OPEN" at 101.6,149.352 h6.3
  text "REFLOW" at 101.6,146.177 h4
Mechanical 1:
  lines w0.127: 104.744,181.84 104.744,179.3 107.284,179.3 ; 107.284,181.84 107.284,179.3 ; 109.824,181.84 109.824,179.3 107.284,179.3
  lines w0.254: 79.354,131.6 cw(c79.354,134.6) 76.354,134.6 76.353,185.791 cw(c79.353,185.79) 79.353,188.79 88.9,188.79 ; 79.353,131.601 88.9,131.601 88.9,126.345 98.514,126.345 98.514,131.601 ; 88.965,188.79 88.965,197.378 98.578,197.378 98.578,188.823 108.125,188.823 ; 98.578,131.633 108.125,131.633 ccw(c108.125,134.633) 111.125,134.633 111.125,185.823 ccw(c108.125,185.823) 108.125,188.823

## Text inside footprints (layer, text, board x,y; h text height)
C1: Top Overlay "+" at 88.083,142.114 h1.52 r180
H1: Top Overlay "5.0V" at 105.397,157.51 h1.6; Top Overlay "SCL" at 105.397,167.663 h1.6; Top Overlay "URX" at 105.397,162.591 h1.6; Top Overlay "UTX" at 105.397,160.043 h1.6; Top Overlay "GND" at 105.356,154.963 h1.6; Top Overlay "SDA" at 105.397,165.123 h1.6; Top Overlay "VCC" at 105.397,152.424 h1.6; Bottom Overlay "URX" at 108.897,162.591 h1.6; Bottom Overlay "UTX" at 108.897,160.043 h1.6; Bottom Overlay "SDA" at 108.897,165.123 h1.6; Bottom Overlay "GND" at 108.856,154.963 h1.6; Bottom Overlay "5.0V" at 108.897,157.51 h1.6; Bottom Overlay "VCC" at 108.897,152.424 h1.6; Bottom Overlay "SCL" at 108.897,167.663 h1.6